# Altium PCB SVEC.pcbdoc (part 17 of 18) (continued)
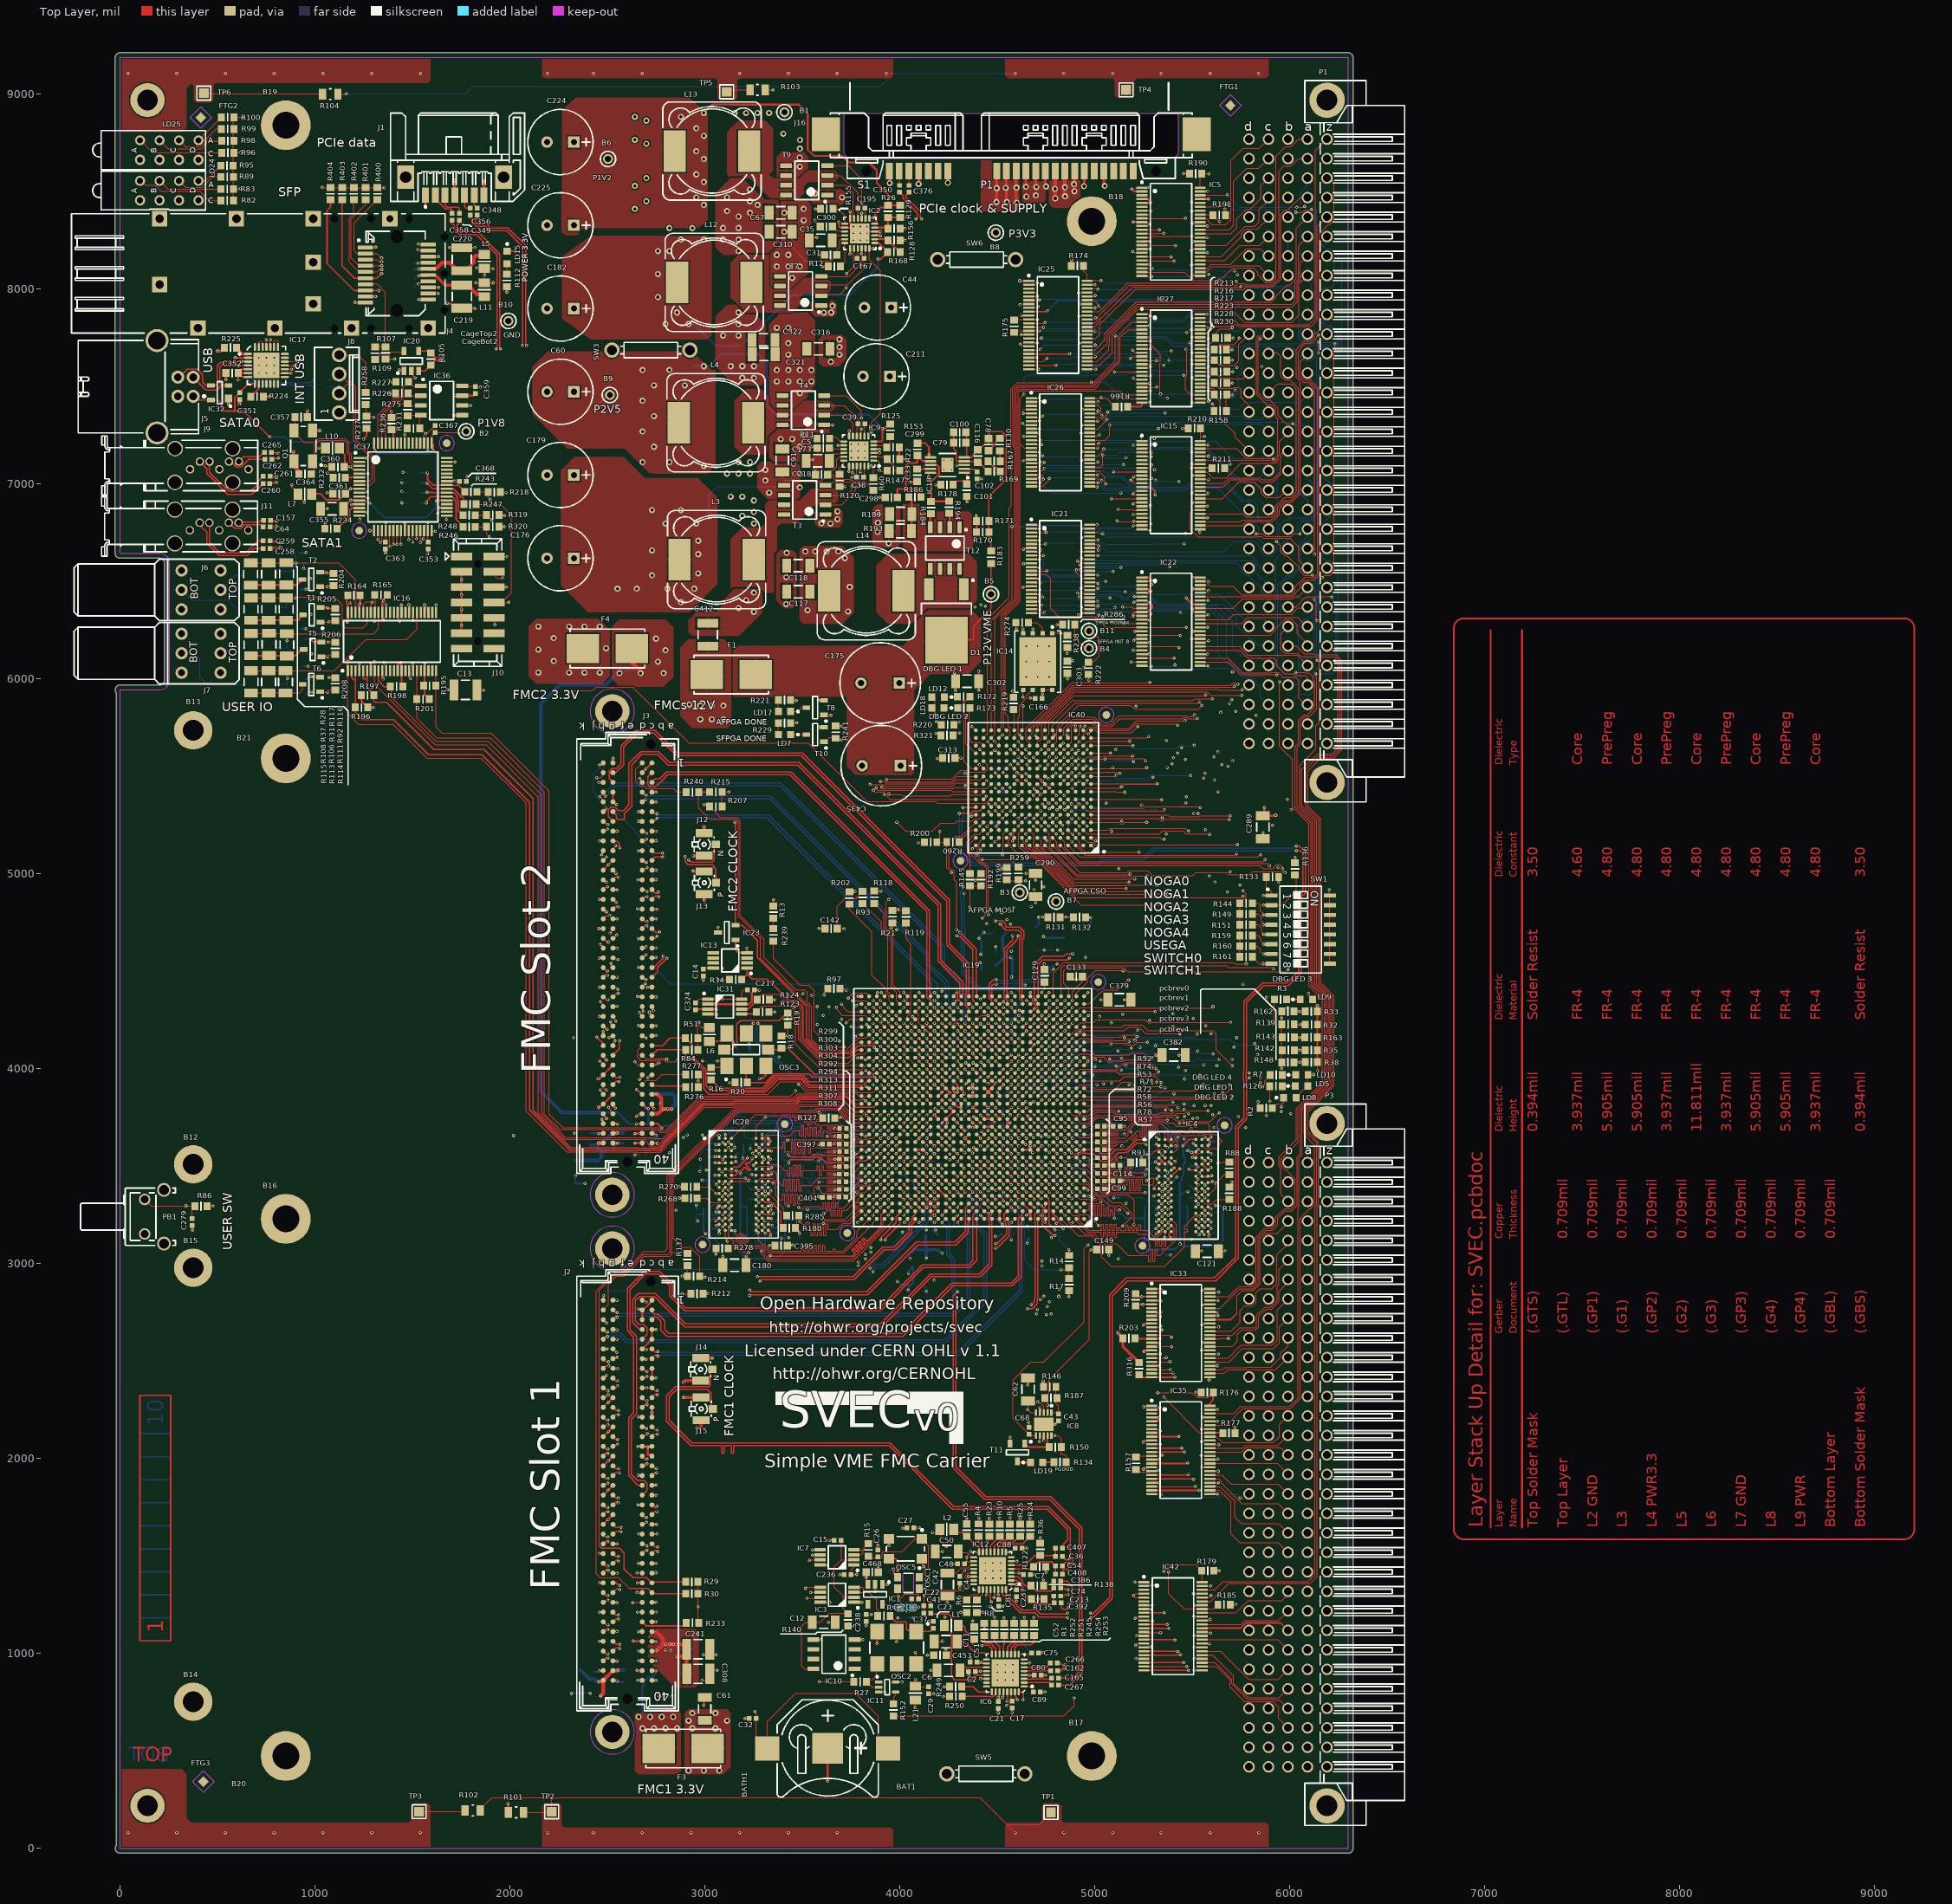
[diagram p0: Top Layer view]
## Nets (pads, with @x,y where several pads share a name; then routed paths per layer and width w, separated by ;. In a path a pad name is that pad's centre, name@x,y a point inside that pad or via, vN(x,y) a via of type N, cw(c..) or ccw(c..) an arc to the next point about the centre after c; other vN are vias at no path point) (continued)
  Bottom Layer w20: R81.2@5044.27,3461.51 5068.55,3461.51 v1(5070.55,3463.51)
  other v1: 4656.55,2251.51 5476.69,3579.64
WR_LOS: IC19.W25 J4.8 R404.1 | length 6977.5
  Top Layer w5: v1@3979.55,3957.51 3979.55,3957.69 v1(3979.85,3957.99) IC19.W25@3999.54,3938.3
  Top Layer w8: R404.1@1079.03,8457.01 1079.03,8419.98 1061.69,8402.64 1061.69,8130.37 1200.55,7991.51 1256.95,7991.51 J4.8@1258.14,7992.7 1325.36,7992.7 v1(1326.55,7991.51)
  L5 w4: v1(1326.55,7991.51) 1417.55,7991.51 1467.55,7941.51 1467.55,7910.52 1520.55,7857.52 1520.55,7733.82 1657.68,7596.69 1657.68,5874.4 1999.55,5532.52 1999.55,4074.51 2096.43,3977.63 3693.74,3977.63 3730.88,3940.49 3962.36,3940.49 3979.55,3957.69 v1@3979.55,3957.51
WR_MODDEF0: IC19.Y26 J4.6 R403.1 | length 6836.5
  Top Layer w5: v1(3940.48,3997.36) IC19.Y26@3960.17,3977.67
  Top Layer w6: R403.1@1139.03,8457.01 1139.03,8119.03 1202.37,8055.69 J4.6@1258.14,8055.69 1318.55,8055.69 1318.55,8056.18 v1(1341.55,8079.18)
  L5 w4: v1(1341.55,8079.18) 1475.55,7945.18 1475.55,7913.84 1528.55,7860.84 1528.55,7740.77 1665.68,7603.65 1665.68,6850.45 1693.43,6822.7 1693.43,5862.69 2018.69,5537.43 2018.69,4114.37 2139.43,3993.63 3703.43,3993.63 3719.43,3977.63 3842.99,3977.63 3847.99,3982.63 3925.76,3982.63 v1(3940.48,3997.36)
WR_MODDEF1: IC19.Y27 J4.5 R402.1 | length 6782.4
  Top Layer w5: R402.1@1199.03,8457.01 1199.03,8386.12 1175.55,8362.65 1175.55,8136.77 1225.14,8087.18 J4.5@1258.14,8087.18 1318.55,8087.18 1330.3,8098.93 v1(1341.55,8098.93) ; v1(3901.11,3997.36) IC19.Y27@3920.8,3977.67
  L5 w4: v1(1341.55,8098.93) 1483.55,7956.93 1483.55,7917.15 1545.2,7855.51 1619.82,7855.51 1634.34,7840.99 1634.34,7777.86 1673.68,7738.52 1673.68,6853.76 1701.43,6826.01 1701.43,5866 2026.69,5540.74 2026.69,4131.01 2156.07,4001.63 3699.69,4001.63 3709.29,4011.23 3867.49,4011.23 3881.36,3997.36 v1(3901.11,3997.36)
WR_MODDEF2: IC19.AA24 J4.4 R401.1 | length 6897.3
  Top Layer w5: R401.1@1259.03,8457.01 1259.03,8431.98 1185.55,8358.51 1185.55,8158.77 1225.65,8118.68 J4.4@1258.14,8118.68 v1(1341.55,8118.68) ; v1(4019.22,4036.73) IC19.AA24@4038.91,4017.04
  L5 w4: v1(1341.55,8118.68) 1341.55,8118.55 1355.43,8104.68 1355.43,8097.63 1491.55,7961.51 1491.55,7920.46 1548.51,7863.51 1623.14,7863.51 1642.34,7844.3 1642.34,7781.18 1681.68,7741.84 1681.68,6857.07 1709.43,6829.33 1709.43,5869.32 2034.69,5544.06 2034.69,4134.33 2159.38,4009.63 3696.37,4009.63 3705.97,4019.23 3870.8,4019.23 3877.53,4012.51 3995,4012.51 v1(4019.22,4036.73)
WR_RATESELECT: IC19.W24 R107.2 | length 6096.3
  Top Layer w5: v1@4019.55,3957.51 4019.55,3957.66 IC19.W24@4038.91,3938.3
  Top Layer w6: R107.2@1361.55,7640.01 1408.06,7640.01 v1(1409.55,7641.51)
  L5 w4: v1(1409.55,7641.51) 1601.55,7641.51 1649.68,7593.38 1649.68,5871.08 1991.55,5529.21 1991.55,4071.19 2093.11,3969.63 3690.43,3969.63 3727.57,3932.49 3993.73,3932.49 v1(4019.22,3957.99) 4019.55,3957.66 v1@4019.55,3957.51
WR_TXDISABLE: IC19.AA25 J4.3 | length 6470.7
  Top Layer w5: J4.3@1258.14,8150.18 1318.55,8150.18 1330.3,8138.43 v1(1341.55,8138.43) ; v1(3979.85,4036.73) IC19.AA25@3999.54,4017.04
  L5 w4: v1(1341.55,8138.43) 1342.13,8138.43 1363.93,8116.63 1363.93,8104.11 1500.05,7967.99 1500.05,7923.99 1552.03,7872.01 1625.95,7872.01 1650.84,7847.11 1650.84,7784.7 1689.68,7745.86 1689.68,6860.39 1717.43,6832.64 1717.43,5872.63 2042.69,5547.37 2042.69,4137.64 2162.7,4017.63 3693.06,4017.63 3702.66,4027.23 3832.63,4027.23 3856,4050.6 3867.49,4050.6 3875.62,4042.47 3875.62,4042.35 3897.34,4020.63 3963.76,4020.63 v1(3979.85,4036.73)
WR_TXFAULT: IC19.AA27 J4.2 R400.1 | length 6720.3
  Top Layer w5: R400.1@1320.03,8457.01 1318.06,8457.01 1200.55,8339.51 1200.55,8195.51 1214.39,8181.67 J4.2@1258.14,8181.67 1318.55,8181.67 1318.55,8181.18 v1(1341.55,8158.18) ; v1(3901.11,4036.73) IC19.AA27@3920.8,4017.04
  L5 w4: v1(1341.55,8158.18) 1342.13,8158.18 1355.93,8144.38 1355.93,8144.13 1372.43,8127.63 1372.43,8107.63 1508.55,7971.51 1508.55,7927.51 1555.55,7880.51 1628.76,7880.51 1659.34,7849.93 1659.34,7788.22 1697.68,7749.88 1697.68,7277.38 1804.43,7170.63 1804.43,7008.76 1780.87,6985.2 1780.87,6046.2 2159.55,5667.52 2159.55,4144.51 2242.55,4061.51 2796.93,4061.51 2797.94,4062.51 3343.93,4062.51 3362.69,4043.76 3411.69,4043.76 3424.57,4056.64 3763.07,4056.64 3775.81,4069.38 3860.02,4069.38 3883.62,4045.79 3883.62,4045.66 3892.55,4036.73 v1(3901.11,4036.73)
pads on no net: B16.1 B17.1 B18.1 B19.1 B20.1 B21.1 CageBot2.32 CageBot2.33 CageBot2.34 CageBot2.35 CageBot2.36 CageBot2.37 CageTop2.CAGE FTG1.1 FTG2.1 FTG3.1 FTG4.1 FTG5.1 FTG6.1 IC1.4 IC4.FTG1 IC4.FTG2 IC4.J1 IC4.J9 IC4.L1 IC4.L9 IC4.M7 IC5.3 IC5.6 IC6.8 IC6.23 IC6.24 IC10.1 IC10.2 IC10.3 IC10.6 IC10.7 IC11.1 IC12.8 IC12.23 IC12.24 IC13.2 IC13.3 IC13.5 IC13.6 IC13.7 IC15.3 IC15.6 IC16.12 IC16.13 IC16.16 IC16.20 IC16.22 IC16.23 IC16.26 IC16.27 IC16.29 IC16.33 IC16.36 IC16.37 IC17.10 IC17.11 IC17.12 IC17.13 IC17.14 IC17.15 IC17.20 IC17.21 IC17.28 IC19.AA18 IC19.AB13 IC19.AB23 IC19.AC9 IC19.AD14 IC19.AE18 IC19.AG14 IC19.AG22 IC19.AH14 IC19.AH22 IC19.AH24 IC19.AJ2 IC19.AJ19 IC19.AJ23 IC19.AK19 IC19.AK23 IC19.B6 IC19.B17 IC19.C18 IC19.D18 IC19.F24 IC19.FTG1 IC19.FTG2 IC19.G19 IC19.G25 IC19.H18 IC19.H19 IC19.J6 IC19.J18 IC19.J19 IC19.J20 IC19.K19 IC19.K20 IC19.L18 IC19.L24 IC19.M18 IC19.M23 IC19.M24 IC19.N24 IC19.U6 IC19.V3 IC25.3 IC26.3 IC27.6 IC28.FTG1 IC28.FTG2 IC28.J1 IC28.J9 IC28.L1 IC28.L9 IC28.M7 IC33.6 IC35.3 IC35.6 IC37.36 IC37.43 IC37.44 IC37.45 IC37.46 IC37.48 IC37.52 IC37.53 IC37.54 IC37.55 IC37.57 IC37.58 IC37.60 IC37.FTG1 IC37.FTG2 IC40.A2 IC40.A11 IC40.A12 IC40.A13 IC40.A14 IC40.B12 IC40.B14 IC40.C13 IC40.D9 IC40.D11 IC40.D12 IC40.E11 IC40.F3 IC40.F9 IC40.F10 IC40.FTG1 IC40.FTG2 IC40.G12 IC40.H4 IC40.H11 IC40.H13 IC40.H14 IC40.J6 IC40.J11 IC40.J12 IC40.J13 IC40.K11 IC40.K12 IC40.K14 IC40.L12 IC40.L13 IC40.L14 IC40.M11 IC40.M12 IC40.M13 IC40.M14 IC40.M16 IC40.N12 IC40.N14 IC40.P11 IC40.P12 IC40.P16 IC40.R16 IC40.T15 IC42.3 IC42.6 J2.1 J2.2 J3.1 J3.2 J4.MTG1 J4.MTG2 J10.1 J10.12 J10.13 J10.14 J10.15 J10.16 J16.1 J16.2 J16.MTG1 J16.MTG2 J16.P11 J16.P13 J16.P14 J16.P15 J16.S5 J16.S6 OSC2.5 P1.d1 P1.d3 P1.d4 P1.d5 P1.d6 P1.d7 P1.d8 P1.d19 P1.d21 P1.d23 P1.d25 P1.d27 P1.d29 P1.d32 P1.z11 P1.z13 P1.z15 P1.z17 P1.z19 P1.z21 P1.z23 P1.z25 P1.z27 P1.z29 P1.z31 P3.c1 P3.c2 P3.c3 P3.c4 P3.c5 P3.c6 P3.c7 P3.c8 P3.c9 P3.c10 P3.c11 P3.c12 P3.c13 P3.c14 P3.c15 P3.c16 P3.c17 P3.c18 P3.c19 P3.c20 P3.c21 P3.c22 P3.d32 P3.z1 P3.z3 P3.z5 P3.z7 P3.z9 P3.z11 P3.z13 P3.z15 P3.z17 P3.z19 P3.z21 P3.z23 P3.z25 P3.z27 P3.z29 P3.z31
copper on no net: | length 30497.5
  Top Layer w8: 101.9,1064.29 101.9,2324.13 259.38,2324.13 259.38,1064.29 101.9,1064.29
  Top Layer w9: 7030.13,1645.97 7030.13,6250.38 ; 7190.83,1645.97 7190.83,6250.38 ; 6841,1637.97 ccw(c6893,1637.97) 6893,1585.97 9151.2,1585.97 ccw(c9151.2,1637.97) 9203.2,1637.97 9203.2,6258.38 ccw(c9151.2,6258.38) 9151.2,6310.38 6893,6310.38 ccw(c6893,6258.38) 6841,6258.38 6841,1637.97
  Bottom Layer w8: 101.9,1300.51 259.38,1300.51 ; 101.9,1418.62 259.38,1418.62 ; 101.9,1536.73 259.38,1536.73 ; 101.9,1654.84 259.38,1654.84 ; 101.9,1772.95 259.38,1772.95 ; 101.9,1891.06 259.38,1891.06 ; 101.9,2009.17 259.38,2009.17 ; 101.9,2127.28 259.38,2127.28 ; 259.38,1182.4 101.9,1182.4 101.9,1064.29 ; 101.9,1064.29 259.38,1064.29 259.38,2324.13 220.01,2324.13 101.9,2324.13 101.9,1064.29

## Polygon pours and split planes (outlines as drawn)
P5V_VME on Top Layer "Top Layer-No Net" (hatched 90Degree grid 7 track 8, remove dead copper, pour order 88): 4767.25,8653.23 4767.25,8437.19 4786.94,8417.51 4846,8417.51 4876.38,8417.51 4924.74,8465.86 4924.74,8571.51 4924.74,8647.95 4905.05,8667.63 4904.93,8667.51 4786.94,8667.51 4781.53,8667.51 4767.25,8653.23
GND on Top Layer "Top Layer-No Net" (hatched 90Degree grid 7 track 8, remove dead copper, pour order 95): 4626.11,8780.82 4626.11,8456.88 4636.81,8446.18 4744.22,8446.18 4744.22,8485.55 4744.22,8785.88 4631.16,8785.88 4626.11,8780.82
P3V3 on Top Layer "Top Layer-No Net" (hatched 90Degree grid 7 track 8, remove dead copper, pour order 89): 4416.54,8754.03 4613.39,8754.03 4613.39,8399.7 4416.54,8399.7 4416.54,8754.03
P5V_VME on Top Layer "Top Layer-No Net" (hatched 90Degree grid 7 track 8, remove dead copper, pour order 161): 3369.62,8564.29 3373.64,8568.31 3486.62,8568.31 3525.99,8607.68 3527.1,8608.79 3527.1,8676.51 3527.1,8677.82 3507.41,8697.51 3468.04,8697.51 3391.4,8697.51 3376.11,8682.21 3369.62,8675.72 3369.62,8620.51 3369.62,8564.29
P12V on Top Layer "Top Layer-No Net" (hatched 90Degree grid 7 track 8, remove dead copper, pour order 159): 18 vertices, not listed, extent 3728.69,5509.64 4069.69,6036.64
VTT_DDR3 on Top Layer "Top Layer-No Net" (solid, remove dead copper, pour order 152): 5031.89,3715.95 5033.35,3714.49 5033.35,3364.2 5110.63,3364.2 5120.48,3374.04 5120.48,3637.21 5120.48,3715.95 5110.63,3725.79 5031.89,3725.79
VTT_DDR3 on Top Layer "Top Layer-No Net" (solid, remove dead copper, pour order 151): 3634.25,3706.1 3693.31,3706.1 3693.31,3322.25 3653.94,3322.25 3624.41,3322.25 3624.41,3701.97 3634.25,3711.82
NetR102_2 on Top Layer "Top Layer-NetR78_1" (solid, remove dead copper, pour order 148): 3.05,406.01 315.55,406.01 340.55,381.01 340.55,156.01 365.55,131.01 1478.05,131.01 1490.55,143.51 1490.55,218.51 1503.05,231.01 1578.05,231.01 1590.55,218.51 1590.55,6.01 3.05,6.01
NetR101_1 on Top Layer "Top Layer-NetR78_2" (solid, remove dead copper, pour order 141): 4540.55,6.01 5890.55,6.01 5890.55,118.51 5878.05,131.01 4840.55,131.01 4828.05,143.51 4828.05,218.51 4815.55,231.01 4740.55,231.01 4728.05,218.51 4728.05,143.51 4715.55,131.01 4553.05,131.01 4540.55,118.51
NetR101_1 on Top Layer "Top Layer-NetR79_1" (solid, remove dead copper, pour order 142): 2165.55,6.01 3965.55,6.01 3965.55,93.51 3953.05,106.01 2278.05,106.01 2265.55,118.51 2265.55,218.51 2253.05,231.01 2178.05,231.01 2165.55,218.51
NetR103_1 on Top Layer "Top Layer-NetR287_2" (solid, remove dead copper, pour order 144): 4540.55,9181 5890.55,9181 5890.55,9093.51 5878.05,9081.01 5215.55,9081.01 5203.05,9068.51 5203.05,8993.51 5190.55,8981.01 5115.55,8981.01 5103.05,8993.51 5103.05,9068.51 5090.55,9081.01 4553.05,9081 4540.55,9093.5
NetR103_1 on Top Layer "Top Layer-NetR286_1" (solid, remove dead copper, pour order 145): 2165.55,9181.01 3965.55,9181.01 3965.55,9093.51 3953.05,9081.01 3178.05,9081.01 3165.55,9068.51 3165.55,8981.01 3153.05,8968.51 3078.05,8968.51 3065.55,8981.01 3065.55,9068.51 3053.05,9081.01 2178.05,9081.01 2165.88,9093.18
NetR104_2 on Top Layer "Top Layer-NetR287_1" (solid, remove dead copper, pour order 149): 18 vertices, not listed, extent 3.05,8806.01 1590.55,9181.01
P3V3 on Top Layer "Top Layer-No Net" (solid, remove dead copper, pour order 92): 2117.49,6296.15 2130.46,6309.12 2392.29,6309.12 2451.34,6309.12 2471.03,6289.44 2510.4,6250.07 2510.4,6230.38 2510.4,6013.84 2490.71,5994.16 2471.03,5974.47 2431.66,5974.47 2136.38,5974.47 2097.01,6013.84 2097.01,6269.75 2136.38,6309.12
NetC38_2 on Top Layer "Top Layer-No Net" (solid, remove dead copper, pour order 110): 34 vertices, not listed, extent 3132.29,6442.32 3683.47,6973.82
P5V_VME on Top Layer "Top Layer-No Net" (solid, remove dead copper, pour order 113): 3289.77,7111.62 3466.93,7111.62 3486.62,7091.93 3486.62,6993.51 3486.62,6934.45 3466.93,6914.77 3329.14,6914.77 3309.45,6934.45 3270.08,6973.82 3270.08,6993.51 3270.08,7091.93 3289.77,7111.62
P2V5 on Top Layer "Top Layer-No Net" (solid, remove dead copper, pour order 115): 18 vertices, not listed, extent 2699.22,7052.56 3053.55,7623.43
NetC39_2 on Top Layer "Top Layer-No Net" (solid, remove dead copper, pour order 120): 35 vertices, not listed, extent 3132.29,7150.99 3663.78,7485.63
P1V5 on Top Layer "Top Layer-No Net" (solid, remove dead copper, pour order 125): 2736.68,8273.03 3009.1,8273.03 3033.86,8255.32 3033.86,7759.25 3009.1,7741.54 2711.92,7741.54 2414.73,7741.54 2290.91,7830.12 2266.14,7847.84 2266.14,7954.14 2266.14,8166.73 2365.2,8237.6 2414.73,8273.03 2761.45,8273.03
NetC167_2 on Top Layer "Top Layer-No Net" (solid, remove dead copper, pour order 126): 31 vertices, not listed, extent 3132.29,7879.33 3644.1,8174.61
P5V_VME on Top Layer "Top Layer-No Net" (solid, remove dead copper, pour order 128): 25 vertices, not listed, extent 3309.45,7997.44 3545.67,8450.2
GND on Top Layer "Top Layer-No Net" (solid, remove dead copper, pour order 129): 19 vertices, not listed, extent 3053.55,8174.61 3388.19,8568.31
NetC195_2 on Top Layer "Top Layer-No Net" (solid, remove dead copper, pour order 130): 35 vertices, not listed, extent 3112.6,8450.2 3683.47,8863.58
GND on Top Layer "Top Layer-No Net" (solid, remove dead copper, pour order 133): 3585.04,8509.25 3663.78,8509.25 3703.15,8509.25 3722.84,8489.57 3722.84,8450.2 3703.15,8430.51 3624.41,8430.51 3565.36,8430.51 3545.67,8450.2 3545.67,8489.57 3545.67,8509.25 3585.04,8509.25
P1V2 on Top Layer "Top Layer-No Net" (solid, remove dead copper, pour order 139): 3014.18,8355.58 3014.18,8895.33 2965.92,8938.51 2917.66,8981.69 2821.14,8981.69 2338.53,8981.69 2314.4,8960.1 2266.14,8916.92 2266.14,8873.74 2266.14,8420.35 2290.27,8398.76 2386.79,8312.4 2652.23,8312.4 2965.92,8312.4 3014.18,8355.58
P5V_VME on Top Layer "Top Layer-No Net" (solid, remove dead copper, pour order 140): 21 vertices, not listed, extent 3329.14,7367.52 3565.36,7879.33
GND on Top Layer "Top Layer-No Net" (solid, remove dead copper, pour order 143): 3309.45,7505.32 3309.45,7820.28 3289.77,7839.96 3211.03,7918.7 3132.29,7918.7 3112.6,7918.7 3073.23,7879.33 3053.55,7859.65 3053.55,7800.59 3053.55,7603.74 3112.6,7544.69 3151.97,7505.32 3250.4,7505.32 3289.77,7505.32 3309.45,7525
GND on Top Layer "Top Layer-No Net" (solid, remove dead copper, pour order 101): 19 vertices, not listed, extent 3329.14,7072.25 3637.55,7317.51
P3V3_FMC2 on Top Layer "Top Layer-No Net" (solid, remove dead copper, pour order 116): 2561.42,6304.53 2522.05,6265.16 2522.05,5999.41 2561.42,5960.04 2787.8,5960.04 2797.64,5969.88 2837.01,6009.25 2837.01,6147.05 2837.01,6265.16 2817.33,6284.84 2797.64,6304.53 2561.42,6304.53
P3V3_FMC1 on Top Layer "Top Layer-No Net" (solid, remove dead copper, pour order 124): 2659.85,379.33 2856.7,379.33 2876.38,399.02 2876.38,438.39 2876.38,694.29 2856.7,713.98 2797.64,713.98 2777.96,694.29 2640.16,694.29 2640.16,399.02 2659.85,379.33
P3V3 on Top Layer "Top Layer-No Net" (solid, remove dead copper, pour order 127): 2935.44,379.33 3092.92,379.33 3132.29,418.7 3132.29,497.44 3132.29,694.29 3112.6,713.98 3033.86,713.98 2915.75,713.98 2896.07,694.29 2896.07,418.7 2896.07,379.33 2935.44,379.33
SW on Top Layer "Top Layer-No Net" (hatched 90Degree grid 7 track 8, remove dead copper, pour order 82): 18 vertices, not listed, extent 3880.32,6284.84 4392.13,6639.18
ISENSE on Top Layer "Top Layer-No Net" (hatched 90Degree grid 7 track 8, remove dead copper, pour order 86): 4018.11,6895.08 4018.11,6717.92 4018.11,6678.55 4037.8,6658.86 4352.76,6658.86 4372.44,6678.55 4372.44,6816.34 4372.44,6836.03 4352.76,6855.71 4293.7,6855.71 4116.54,6855.71 4096.85,6875.4 4096.85,6895.08 4018.11,6895.08
P5V_VME on Top Layer "Top Layer-No Net" (hatched 90Degree grid 7 track 8, remove dead copper, pour order 94): 3525.99,6678.55 3703.15,6678.55 3722.84,6658.86 3762.21,6619.49 3762.21,6560.44 3762.21,6343.9 3722.84,6304.53 3703.15,6284.84 3604.73,6284.84 3506.3,6284.84 3486.62,6304.53 3486.62,6540.75 3486.62,6658.86 3506.3,6678.55 3525.99,6678.55
GND on Top Layer "Top Layer-No Net" (hatched 90Degree grid 7 track 8, remove dead copper, pour order 104): 3466.93,6639.18 3466.93,6383.27 3447.25,6363.58 3407.88,6363.58 3388.19,6383.27 3368.51,6402.95 3368.51,6442.32 3368.51,6639.18 3388.19,6658.86 3447.25,6658.86 3466.93,6639.18
GND on Top Layer "Top Layer-No Net" (hatched 90Degree grid 7 track 8, remove dead copper, pour order 109): 3683.47,6875.4 3585.04,6875.4 3565.36,6855.71 3565.36,6816.34 3565.36,6796.66 3585.04,6776.97 3644.1,6776.97 3683.47,6776.97 3703.15,6796.66 3703.15,6855.71 3683.47,6875.4
P12V on Top Layer "Top Layer-No Net" (hatched 90Degree grid 7 track 8, remove dead copper, pour order 112): 27 vertices, not listed, extent 3132.29,5910.83 4411.81,6363.58
GND on Top Layer "Top Layer-No Net" (hatched 90Degree grid 7 track 8, remove dead copper, pour order 118): 3683.47,7761.22 3604.73,7761.22 3585.04,7741.54 3585.04,7682.48 3585.04,7623.43 3604.73,7603.74 3663.78,7603.74 3683.47,7603.74 3703.15,7623.43 3722.84,7643.11 3722.84,7741.54 3703.15,7761.22 3683.47,7761.22
P1V2 on Top Layer "Top Layer-No Net" (hatched 90Degree grid 7 track 8, remove dead copper, pour order 119): 2266.28,8477.66 2266.28,8317.7 2266.28,8298.01 2285.96,8278.33 2325.33,8278.33 2345.02,8278.33 2404.07,8337.38 2443.44,8376.75 2443.44,8455.49 2404.07,8494.86 2285.96,8494.86 2285.16,8494.86 2266.28,8475.98
GND on Top Layer "Top Layer-No Net" (hatched 90Degree grid 7 track 8, remove dead copper, pour order 122): 3565.36,7938.39 3644.1,7938.39 3653.94,7938.39 3673.62,7918.7 3673.62,7889.18 3673.62,7879.33 3663.78,7869.49 3653.94,7859.65 3644.1,7859.65 3565.36,7859.65 3555.51,7869.49 3545.67,7879.33 3545.67,7928.55 3555.51,7938.39 3565.36,7938.39
GND on Top Layer "Top Layer-No Net" (hatched 90Degree grid 7 track 8, remove dead copper, pour order 84): 3901.11,6891.06 3979.85,6891.06 3999.54,6871.37 3999.54,6694.21 3979.85,6674.52 3881.43,6674.52 3861.74,6694.21 3861.74,6792.63 3861.74,6871.37 3881.43,6891.06 3901.11,6891.06
GND on Top Layer "Top Layer-No Net" (hatched 90Degree grid 7 track 8, remove dead copper, pour order 93): 23 vertices, not listed, extent 2916.86,6221.77 3290.88,6457.99
P12V_FMC on Top Layer "Top Layer-No Net" (hatched 90Degree grid 7 track 8, remove dead copper, pour order 96): 2936.55,6202.08 3094.03,6202.08 3113.71,6182.4 3132.29,6163.82 3132.29,6064.29 3132.29,5767.9 3113.71,5749.32 3074.34,5749.32 2936.55,5749.32 2897.18,5788.7 2877.49,5808.38 2877.49,5926.49 2877.49,6162.71 2916.86,6202.08 2936.55,6202.08
P2V5_FMC on Top Layer "Top Layer-No Net" (hatched 90Degree grid 7 track 8, remove dead copper, pour order 100): 2266.69,6920.64 2266.69,6478.64 2303.69,6441.64 2401.69,6343.64 2569.69,6343.64 2598.69,6372.64 2598.69,6709.64 2598.69,6808.64 2508.69,6898.64 2462.69,6944.64 2314.69,6944.64 2292.69,6944.64 2265.69,6917.64
P12V_FMC on Top Layer "Top Layer-No Net" (hatched 90Degree grid 7 track 8, remove dead copper, pour order 87): 2966.07,1103.66 2966.07,837.91 2956.23,837.91 2946.39,828.07 2847.96,828.07 2788.91,887.12 2710.17,965.86 2710.17,1054.44 2710.17,1103.66 2729.85,1123.34 2828.28,1123.34 2946.39,1123.34 2966.07,1103.66
P2V5 on Top Layer "Top Layer-No Net" (hatched 90Degree grid 7 track 8, remove dead copper, pour order 90): 2765.75,7057.09 2716.54,7057.09 2627.95,7145.67 2588.58,7185.04 2490.16,7185.04 2293.31,7185.04 2263.78,7214.57 2116.14,7362.2 2116.14,7519.68 2116.14,7598.43 2194.88,7677.17 2568.9,7677.17 2933.07,7677.17 3021.65,7588.58
P2V5_FMC on Top Layer "Top Layer-No Net" (hatched 90Degree grid 7 track 8, remove dead copper, pour order 83): 21 vertices, not listed, extent 2263.78,6343.64 3061.02,7136.51
P3V3_FMC2 on Bottom Layer "Top Layer-No Net" (hatched 90Degree grid 7 track 8, remove dead copper, pour order 91): 50 vertices, not listed, extent 2119.69,3499.64 2897.69,6335.64
P5V_VME on Bottom Layer "Top Layer-No Net" (hatched 90Degree grid 7 track 8, remove dead copper, pour order 160): 3369.62,8780.82 3369.62,8820.19 3389.3,8839.88 3428.67,8839.88 3507.41,8839.88 3527.1,8820.19 3527.1,8623.34 3527.1,8608.79 3518.05,8599.74 3502.28,8583.97 3468.04,8583.97 3389.3,8583.97 3369.62,8603.66 3369.62,8820.19
P3V3_FMC1 on Bottom Layer "Top Layer-No Net" (hatched 90Degree grid 7 track 8, remove dead copper, pour order 157): 23 vertices, not listed, extent 2621.59,532.79 2877.49,1103.66
P12V_FMC on Bottom Layer "Top Layer-No Net" (hatched 90Degree grid 7 track 8, remove dead copper, pour order 156): 58 vertices, not listed, extent 2227.88,946.18 3015.29,3895.51
P12V_FMC on Bottom Layer "Top Layer-No Net" (hatched 90Degree grid 7 track 8, remove dead copper, pour order 155): 54 vertices, not listed, extent 2239.69,3759.64 3312.69,6203.64
P2V5_FMC on Bottom Layer "Top Layer-No Net" (hatched 90Degree grid 7 track 8, remove dead copper, pour order 154): 62 vertices, not listed, extent 1988.69,760.64 2940.69,6580.64
VTT_DDR3 on Bottom Layer "Top Layer-No Net" (solid, remove dead copper, pour order 153): 5031.89,3400.99 5100.79,3400.99 5100.79,3755.32 5031.89,3755.32 5031.89,3404.45 5032.15,3404.2
VTT_DDR3 on Bottom Layer "Top Layer-No Net" (solid, remove dead copper, pour order 150): 3653.94,3706.1 3693.31,3706.1 3693.31,3322.25 3634.25,3322.25 3634.25,3706.1 3653.94,3706.1
NetR102_2 on Bottom Layer "Top Layer-NetR285_1" (solid, remove dead copper, pour order 146): 3.05,406.01 315.55,406.01 340.55,381.01 340.55,156.01 365.55,131.01 1578.05,131.01 1590.55,118.51 1590.55,6.01 3.05,6.01
NetR101_1 on Bottom Layer "Top Layer-NetR284_1" (solid, remove dead copper, pour order 131): 2165.55,6.01 3965.55,6.01 3965.55,93.51 3953.05,106.01 2178.05,106.01 2165.55,93.51
NetR101_1 on Bottom Layer "Top Layer-NetR285_2" (solid, remove dead copper, pour order 132): 4540.55,6.01 5890.55,6.01 5890.55,118.51 5878.05,131.01 4790.55,131.01 4765.55,106.01 4553.05,106.01 4540.55,93.51
NetR103_1 on Bottom Layer "Top Layer-NetR287_2" (solid, remove dead copper, pour order 134): 4540.55,9181 5890.55,9181 5890.55,9093.5 5878.05,9081.01 4553.05,9081 4540.55,9093.51
NetR104_2 on Bottom Layer "Top Layer-NetR287_1" (solid, remove dead copper, pour order 147): 3.05,8806.01 315.55,8806.01 340.55,8831.01 340.55,9031.01 365.55,9056.01 1578.05,9056.01 1590.55,9068.51 1590.55,9181.01 3.05,9181.01
NetR103_1 on Bottom Layer "Top Layer-NetR286_1" (solid, remove dead copper, pour order 135): 2165.55,9181.01 3965.55,9181.01 3965.55,9099.76 3953.05,9087.26 2178.05,9087.26 2165.55,9099.76
P2V5_FMC on Bottom Layer "Top Layer-No Net" (solid, remove dead copper, pour order 98): 2782.35,6917.07 3018.57,6917.07 3038.26,6897.39 3057.94,6877.7 3057.94,6739.91 3057.94,6365.89 3038.26,6346.21 2939.83,6346.21 2742.98,6346.21 2723.3,6365.89 2723.3,6523.37 2723.3,6877.7 2762.67,6917.07 2782.35,6917.07
GND on Bottom Layer "Top Layer-No Net" (solid, remove dead copper, pour order 106): 3092.92,6910.69 3132.29,6954.14 3211.03,6954.14 3250.4,6954.14 3289.77,6910.69 3289.77,6823.81 3289.77,6345.94 3270.08,6324.21 3230.71,6324.21 3112.6,6324.21 3092.92,6345.94 3092.92,6910.69
P2V5 on Bottom Layer "Top Layer-No Net" (solid, remove dead copper, pour order 97): 2768.35,7628.07 3004.57,7628.07 3024.26,7608.39 3043.94,7588.7 3043.94,7450.91 3043.94,7076.89 3024.26,7057.21 2925.83,7057.21 2728.98,7057.21 2709.3,7076.89 2709.3,7234.37 2709.3,7588.7 2748.67,7628.07 2768.35,7628.07
GND on Bottom Layer "Top Layer-No Net" (solid, remove dead copper, pour order 103): 3073.23,7599.67 3112.6,7643.11 3191.34,7643.11 3230.71,7643.11 3270.08,7599.67 3270.08,7512.78 3270.08,7034.91 3250.4,7013.19 3211.03,7013.19 3092.92,7013.19 3073.23,7034.91 3073.23,7599.67
GND on Bottom Layer "Top Layer-No Net" (solid, remove dead copper, pour order 121): 3049.39,7819.81 3049.39,8075.71 3049.39,8311.93 3069.07,8331.62 3147.81,8331.62 3187.18,8331.62 3206.87,8311.93 3206.87,8252.88 3206.87,7760.75 3187.18,7741.07 3088.76,7741.07 3069.07,7741.07 3049.39,7760.75 3049.39,7819.81
P1V5 on Bottom Layer "Top Layer-No Net" (solid, remove dead copper, pour order 123): 3033.86,7761.22 3033.86,8017.13 3033.86,8312.4 3014.18,8332.09 2915.75,8332.09 2797.64,8332.09 2777.96,8312.4 2738.59,8273.03 2738.59,8253.35 2738.59,7780.91 2777.96,7741.54 2935.44,7741.54 3014.18,7741.54 3033.86,7761.22
GND on Bottom Layer "Top Layer-No Net" (solid, remove dead copper, pour order 136): 3112.6,8391.14 3112.6,8922.64 3151.97,8962.01 3289.77,8962.01 3309.45,8962.01 3329.14,8942.32 3348.82,8922.64 3348.82,8863.58 3348.82,8391.14 3329.14,8371.46 3211.03,8371.46 3132.29,8371.46 3112.6,8391.14
P1V2 on Bottom Layer "Top Layer-No Net" (solid, remove dead copper, pour order 137): 2837.01,8371.46 3053.55,8371.46 3092.92,8410.83 3092.92,8430.51 3092.92,8883.27 3073.23,8902.95 3053.55,8922.64 3014.18,8922.64 2856.7,8922.64 2837.01,8902.95 2817.33,8883.27 2817.33,8863.58 2817.33,8391.14 2837.01,8371.46
GND on Bottom Layer "Top Layer-No Net" (solid, remove dead copper, pour order 138): 2777.96,8922.64 2817.33,8883.27 2817.33,8410.83 2797.64,8391.14 2777.96,8371.46 2758.27,8371.46 2659.85,8371.46 2620.48,8410.83 2620.48,8883.27 2659.85,8922.64 2777.96,8922.64
P12V_FMC on Bottom Layer "Top Layer-No Net" (hatched 90Degree grid 7 track 8, remove dead copper, pour order 99): 2759.38,946.18 2864.69,946.18 2864.69,994.51 2854.69,1004.51 2852.55,1006.64 2812.69,1006.64 2795.69,1006.64 2781.69,992.64 2776.69,987.64 2776.69,966.64 2776.69,963.48 2759.38,946.18
VTT_DDR3 on Bottom Layer "Top Layer-No Net" (hatched 90Degree grid 7 track 8, remove dead copper, pour order 102): 18 vertices, not listed, extent 5020.69,3011.51 5712.69,3806.64
VTT_DDR3 on Bottom Layer "Top Layer-No Net" (hatched 90Degree grid 7 track 8, remove dead copper, pour order 105): 21 vertices, not listed, extent 2924.69,3016.64 3691.69,3703.64
P12V_FMC on Bottom Layer "Top Layer-No Net" (hatched 90Degree grid 7 track 8, pour order 108): 2313.69,4093.64 2831.69,4093.64 2838.69,4086.64 2867.69,4057.64 2867.69,3976.64 2867.69,3950.64 2857.69,3940.64 2854.69,3937.64 2656.69,3937.64 2362.55,3937.64 2306.55,3993.64 2307.69,3994.77 2307.69,4100.64 2307.69,4099.64 2310.69,4096.64
P3V3_FMC2 on Bottom Layer "Top Layer-No Net" (hatched 90Degree grid 7 track 8, remove dead copper, pour order 111): 23 vertices, not listed, extent 2145.69,5873.64 2570.69,6126.64
P12V_FMC on Bottom Layer "Top Layer-No Net" (hatched 90Degree grid 7 track 8, pour order 85): 2695.55,3229.64 2729.85,3195.34 2729.85,3150.9 2729.85,3006.91 2692.52,2969.58 2598.25,2875.31 2523.16,2875.31 2400.24,2875.31 2380.55,2894.99 2355.84,2919.71 2355.84,3020.51 2355.84,3185.24 2380.55,3209.95 2400.24,3229.64 2695.55,3229.64
P1V2 on L5 "Top Layer-No Net" (hatched 90Degree grid 7 track 8, remove dead copper, pour order 158): 35 vertices, not listed, extent 3881.43,2835.94 4590.09,3938.3
VTT_DDR3 on L5 "Top Layer-No Net" (solid, remove dead copper, pour order 107): 44 vertices, not listed, extent 2948.55,2214.51 5663.55,3773.51
MGT_AVC_A on L5 "Top Layer-No Net" (solid, remove dead copper, pour order 114): 22 vertices, not listed, extent 3992.32,3000.52 4635.32,3386.52
MGT_AVC_B on L5 "Top Layer-No Net" (solid, remove dead copper, pour order 117): 26 vertices, not listed, extent 4055.55,4211.51 4644.55,4703.51
GND on L2 GND (split plane): 5407.52,8921.98 3733.89,8921.98 3733.89,9192.22 5407.52,9192.35
GND on L2 GND (split plane): 219 vertices, not listed, extent -5.41,-5.41 6304.62,9192.42
P5V_VME on L4 PWR3.3 (split plane): 5407.49,8921.98 3733.89,8921.98 3733.89,9192.22 5407.49,9192.35
P5V_VME on L4 PWR3.3 (split plane): 186 vertices, not listed, extent 3077.77,322.72 6304.61,9192.42
P3V3 on L4 PWR3.3 (split plane): 255.3,1420.64 105.98,1420.64 105.98,1537.64 255.3,1537.64
P3V3 on L4 PWR3.3 (split plane): 199 vertices, not listed, extent -5.41,-5.41 6304.62,9192.17
GND on L7 GND (split plane): 5407.52,8921.98 3733.89,8921.98 3733.89,9192.22 5407.52,9192.35
GND on L7 GND (split plane): 220 vertices, not listed, extent -5.41,-5.41 6304.62,9192.42
P1V2 on L9 PWR (split plane): 146 vertices, not listed, extent 1901.77,3654.35 5529.61,9037.56
P3V3 on L9 PWR (split plane): 5407.52,8921.98 3733.89,8921.98 3733.89,9192.22 5407.52,9192.35